# Allegro board 6089-103-RevB_76.brd (continued)
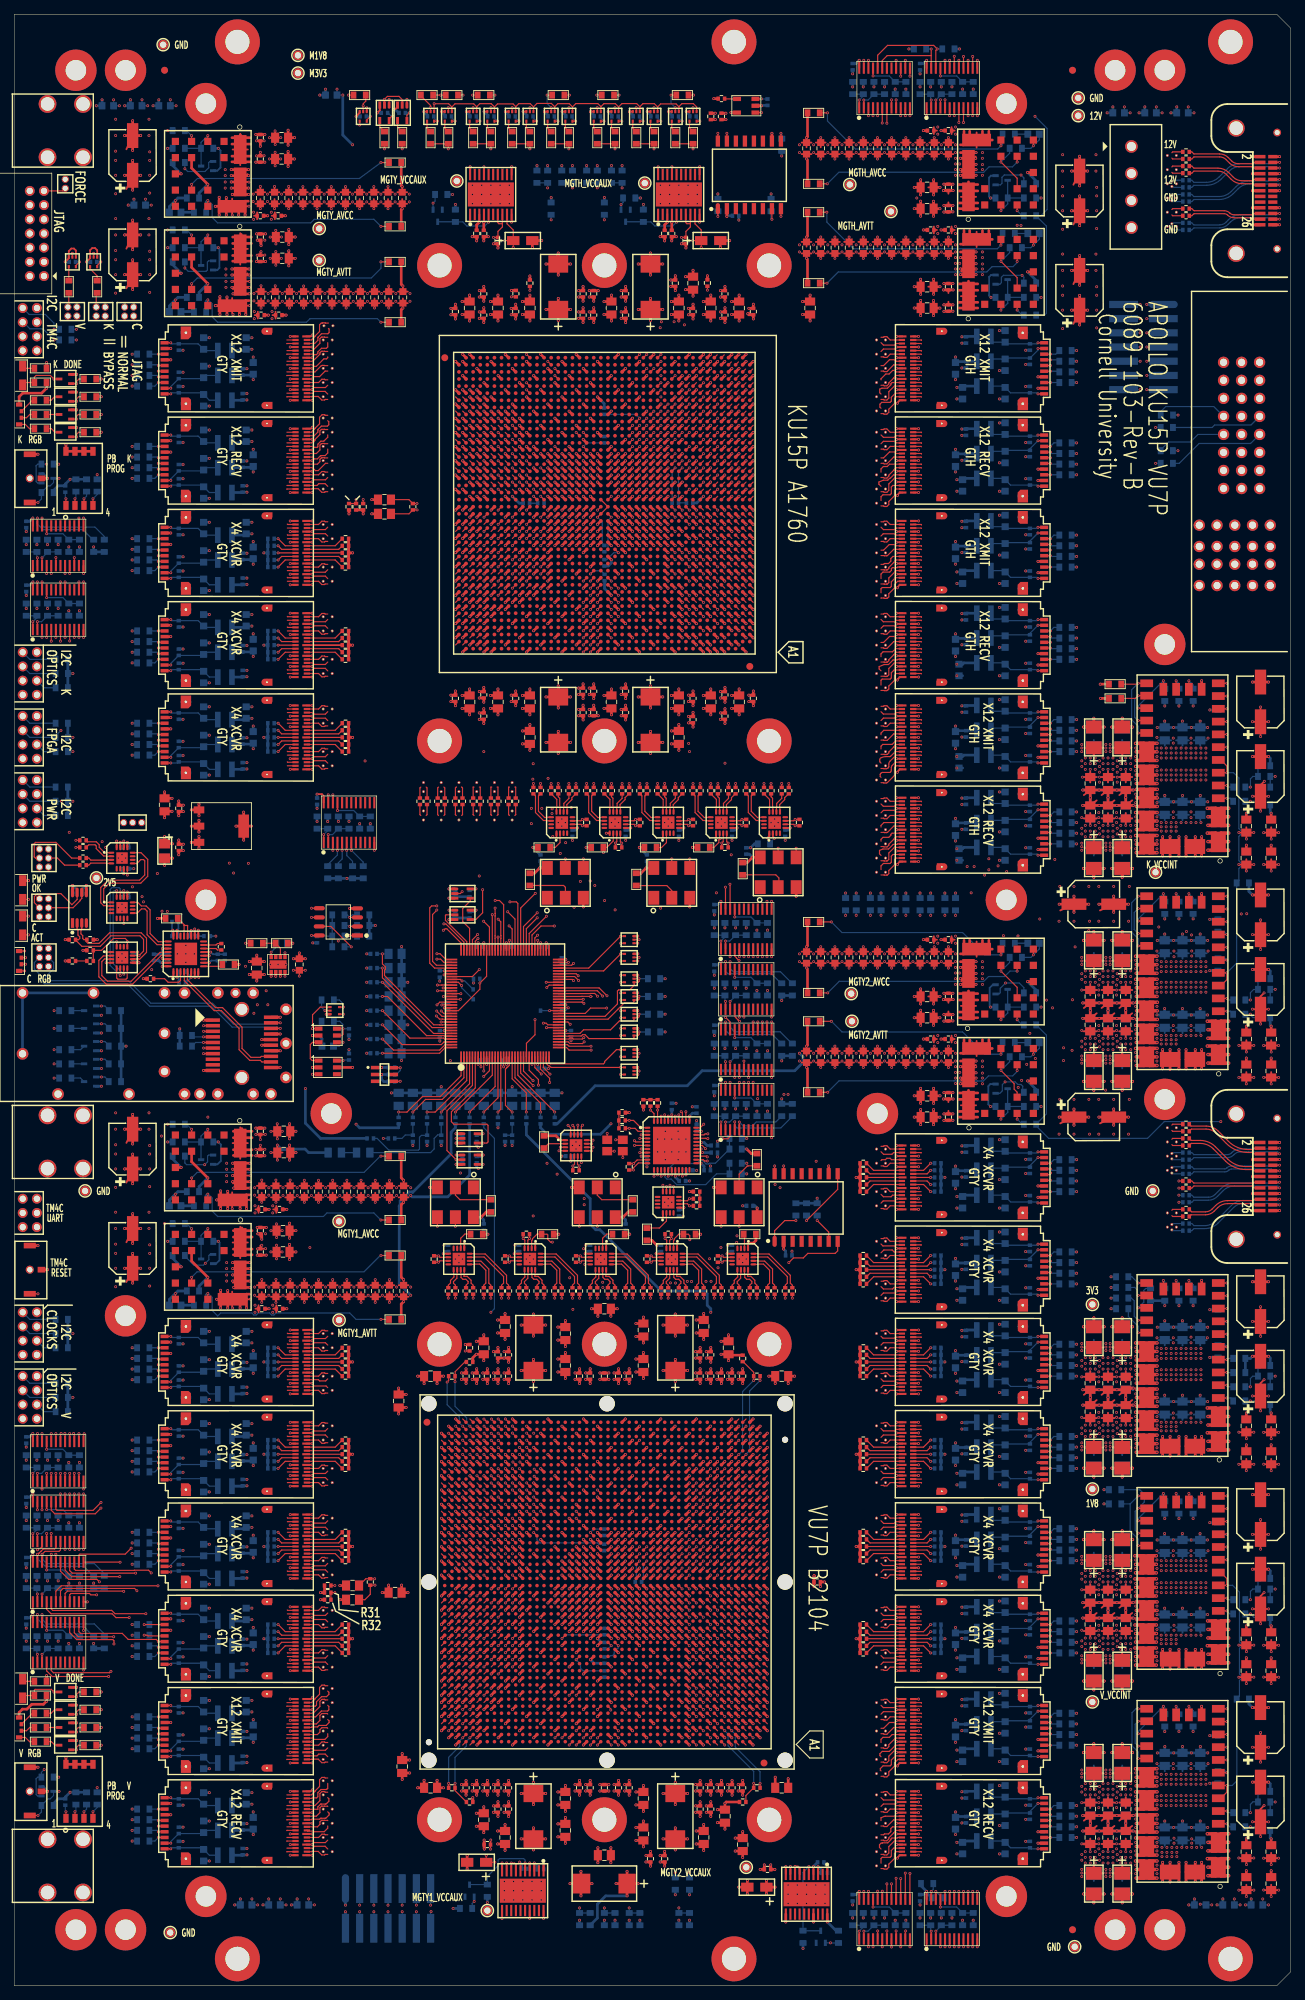
[diagram p0: board, top side]
## Routing (per net, layer and track width the routed paths; a pad name or vN(x,y) marks a point on that pad's centre or on a via; arc(x,y) is an arc through that point) (continued)
1.58,111.77 ; J6.1 2.08,110.9 ; J6.1 1.2,110.02 ; J6.1 2.07,110.52 ; J6.1 1.2,111.78 ; J6.1 1.87,111.57 ; VA113.4 123.02,79.31 ; VA113.4 123.25,78.71 ; VA113.4 122.83,79.28 ; VA113.4 122.83,78.52 ; VA113.4 123.16,78.58 ; VA113.4 123.22,78.9 ; VA113.4 123.16,79.22 ; VA113.4 123.25,79.09 ; 121.38,184.49 VA87.4 ; VA87.4 121.56,185.28 ; VA87.4 121.24,184.58 ; VA87.4 121.15,184.71 ; VA87.4 121.56,184.52 ; VA87.4 121.24,185.22 ; VA87.4 121.15,185.09 ; VA87.4 121.18,184.9 ; 43.56,223.9 43.56,224.28 ; 43.56,223.9 43.15,223.71 ; 43.56,223.9 43.24,224.22 ; 43.56,223.9 43.38,223.49 ; 43.56,223.9 43.15,224.09 ; 43.56,223.9 43.56,223.52 ; 43.56,223.9 43.24,223.58 ; 43.56,223.9 43.18,223.9 ; VA48.4 45.16,24.58 ; VA48.4 45.16,25.22 ; VA48.4 45.25,25.09 ; VA48.4 44.84,24.52 ; VA48.4 44.84,25.28 ; VA48.4 45.25,24.71 ; VA48.4 45.22,24.9 ; VA48.4 45.02,25.31 ; 122.83,18.52 VA135.3 ; VA135.3 123.16,19.22 ; VA135.3 122.83,19.28 ; VA135.3 123.25,19.09 ; VA135.3 123.16,18.58 ; VA135.3 123.02,19.31 ; VA135.3 123.22,18.9 ; VA135.3 123.25,18.71 ; 43.38,35.49 43.56,35.9 ; 43.56,35.9 43.56,36.28 ; 43.56,35.9 43.15,35.71 ; 43.56,35.9 43.24,36.22 ; 43.56,35.9 43.15,36.09 ; 43.56,35.9 43.24,35.58 ; 43.56,35.9 43.18,35.9 ; 43.56,35.9 43.56,35.52 ; VA88.4 121.56,183.28 ; VA88.4 121.15,182.71 ; VA88.4 121.24,182.58 ; VA88.4 121.18,182.9 ; VA88.4 121.56,182.52 ; VA88.4 121.15,183.09 ; VA88.4 121.24,183.22 ; VA88.4 121.38,182.49 ; 44.84,210.52 VA11.4 ; VA11.4 45.02,211.31 ; VA11.4 45.22,210.9 ; VA11.4 45.25,210.71 ; VA11.4 45.16,211.22 ; VA11.4 45.25,211.09 ; VA11.4 44.84,211.28 ; VA11.4 45.16,210.58 ; VA59.4 65.58,169.53 ; VA59.4 65.61,169.72 ; VA59.4 65.39,169.95 ; VA59.4 64.88,169.86 ; VA59.4 65.2,169.92 ; VA59.4 64.79,169.72 ; VA59.4 65.52,169.86 ; VA59.4 64.82,169.53 ; VA87.3 123.25,184.71 ; VA87.3 123.22,184.9 ; VA87.3 123.16,184.58 ; VA87.3 123.16,185.22 ; VA87.3 123.25,185.09 ; VA87.3 122.83,185.28 ; VA87.3 122.83,184.52 ; VA87.3 123.02,185.31 ; 163.84,106.9 164.25,107.09 ; 163.84,106.9 164.16,106.58 ; 163.84,106.9 163.84,107.28 ; 163.84,106.9 164.02,107.31 ; 163.84,106.9 163.84,106.52 ; 163.84,106.9 164.25,106.71 ; 163.84,106.9 164.16,107.22 ; 163.84,106.9 164.22,106.9 ; 24.21,65.96 U27.G1 ; U27.G1 23.49,66.18 ; U27.G1 23.81,65.97 ; U27.G1 24.21,67.84 ; U27.G1 24.93,66.18 ; U27.G1 23.49,67.62 ; U27.G1 24.93,67.62 ; U27.G1 25.15,66.9 ; VA123.3 123.22,46.9 ; VA123.3 123.02,47.31 ; VA123.3 123.25,47.09 ; VA123.3 122.83,47.28 ; VA123.3 123.16,46.58 ; VA123.3 123.16,47.22 ; VA123.3 123.25,46.71 ; VA123.3 122.83,46.52 ; VA67.3 123.16,228.22 ; VA67.3 123.16,227.58 ; VA67.3 123.02,228.31 ; VA67.3 122.83,228.28 ; VA67.3 123.22,227.9 ; VA67.3 123.25,228.09 ; VA67.3 123.25,227.71 ; VA67.3 122.83,227.52 ; J1.7 4.2,247.78 ; J1.7 3.53,246.23 ; J1.7 3.32,246.9 ; J1.7 4.87,247.57 ; J1.7 4.2,246.02 ; J1.7 5.08,246.9 ; J1.7 3.53,247.57 ; J1.7 4.87,246.23 ; 163.84,257.9 164.25,257.71 ; 163.84,257.9 164.22,257.9 ; 163.84,257.9 164.02,258.31 ; 163.84,257.9 164.16,258.22 ; 163.84,257.9 163.84,257.52 ; 163.84,257.9 164.25,258.09 ; 163.84,257.9 163.84,258.28 ; 163.84,257.9 164.16,257.58 ; 43.56,63.9 43.56,64.28 ; 43.56,63.9 43.15,63.71 ; 43.56,63.9 43.15,64.09 ; 43.56,63.9 43.38,63.49 ; 43.56,63.9 43.18,63.9 ; 43.56,63.9 43.24,64.22 ; 43.56,63.9 43.24,63.58 ; 43.56,63.9 43.56,63.52 ; VA37.4 45.25,50.71 ; VA37.4 45.16,50.58 ; VA37.4 44.84,50.52 ; VA37.4 45.22,50.9 ; VA37.4 45.16,51.22 ; VA37.4 45.25,51.09 ; VA37.4 44.84,51.28 ; VA37.4 45.02,51.31 ; 62.29,169.72 VA57.4 ; VA57.4 62.7,169.92 ; VA57.4 63.02,169.86 ; VA57.4 62.89,169.95 ; VA57.4 63.08,169.53 ; VA57.4 62.38,169.86 ; VA57.4 62.32,169.53 ; VA57.4 63.11,169.72 ; VA128.3 123.16,33.58 ; VA128.3 123.25,34.09 ; VA128.3 123.02,34.31 ; VA128.3 123.16,34.22 ; VA128.3 122.83,33.52 ; VA128.3 122.83,34.28 ; VA128.3 123.22,33.9 ; VA128.3 123.25,33.71 ; U24.G2 24.21,171.84 ; U24.G2 25.15,170.9 ; U24.G2 23.81,169.97 ; U24.G2 24.93,170.18 ; U24.G2 23.49,170.18 ; U24.G2 24.93,171.62 ; U24.G2 24.21,169.96 ; U24.G2 23.49,171.62 ; 23.81,205.97 U22.G1 ; U22.G1 24.21,205.96 ; U22.G1 24.93,206.18 ; U22.G1 24.21,207.84 ; U22.G1 25.15,206.9 ; U22.G1 24.93,207.62 ; U22.G1 23.49,207.62 ; U22.G1 23.49,206.18 ; 163.84,249.9 163.84,250.28 ; 163.84,249.9 164.25,249.71 ; 163.84,249.9 163.84,249.52 ; 163.84,249.9 164.25,250.09 ; 163.84,249.9 164.16,250.22 ; 163.84,249.9 164.02,250.31 ; 163.84,249.9 164.16,249.58 ; 163.84,249.9 164.22,249.9 ; 121.15,118.09 VA101.3 ; VA101.3 121.56,118.28 ; VA101.3 121.56,117.52 ; VA101.3 121.24,118.22 ; VA101.3 121.38,117.49 ; VA101.3 121.18,117.9 ; VA101.3 121.24,117.58 ; VA101.3 121.15,117.71 ; VA29.4 45.22,76.9 ; VA29.4 44.84,77.28 ; VA29.4 45.25,77.09 ; VA29.4 45.02,77.31 ; VA29.4 45.16,77.22 ; VA29.4 45.25,76.71 ; VA29.4 44.84,76.52 ; VA29.4 45.16,76.58 ; 142.19,78.96 U113.G2 ; U113.G2 141.47,79.18 ; U113.G2 142.91,80.62 ; U113.G2 141.79,78.97 ; U113.G2 142.19,80.84 ; U113.G2 141.47,80.62 ; U113.G2 142.91,79.18 ; U113.G2 141.25,79.9 ; 64.79,168.08 65.2,168.26 ; 65.2,168.26 65.01,167.85 ; 65.2,168.26 65.58,168.26 ; 65.2,168.26 64.82,168.26 ; 65.2,168.26 64.88,167.94 ; 65.2,168.26 65.52,167.94 ; 65.2,168.26 65.2,167.88 ; 65.2,168.26 65.61,168.08 ; VA85.3 123.16,188.58 ; VA85.3 123.25,189.09 ; VA85.3 122.83,188.52 ; VA85.3 123.02,189.31 ; VA85.3 123.22,188.9 ; VA85.3 122.83,189.28 ; VA85.3 123.25,188.71 ; VA85.3 123.16,189.22 ; VA135.4 121.56,19.28 ; VA135.4 121.24,18.58 ; VA135.4 121.38,18.49 ; VA135.4 121.18,18.9 ; VA135.4 121.24,19.22 ; VA135.4 121.56,18.52 ; VA135.4 121.15,19.09 ; VA135.4 121.15,18.71 ; U13.30 24.01,126.65 ; U13.30 24.77,124.89 ; U13.30 23.01,125.65 ; U13.30 23.25,126.41 ; U13.30 24.77,126.41 ; U13.30 25.02,125.65 ; U13.30 23.25,124.89 ; U13.30 24.01,124.65 ; 43.56,89.9 43.56,90.28 ; 43.56,89.9 43.24,90.22 ; 43.56,89.9 43.56,89.52 ; 43.56,89.9 43.15,90.09 ; 43.56,89.9 43.15,89.71 ; 43.56,89.9 43.18,89.9 ; 43.56,89.9 43.38,89.49 ; 43.56,89.9 43.24,89.58 ; 43.15,42.09 43.56,41.9 ; 43.56,41.9 43.15,41.71 ; 43.56,41.9 43.24,42.22 ; 43.56,41.9 43.18,41.9 ; 43.56,41.9 43.56,42.28 ; 43.56,41.9 43.24,41.58 ; 43.56,41.9 43.38,41.49 ; 43.56,41.9 43.56,41.52 ; 4.2,250.02 J1.11 ; J1.11 4.2,251.78 ; J1.11 3.53,250.23 ; J1.11 3.53,251.57 ; J1.11 4.87,251.57 ; J1.11 4.87,250.23 ; J1.11 3.32,250.9 ; J1.11 5.08,250.9 ; 121.18,179.9 VA89.4 ; VA89.4 121.56,179.52 ; VA89.4 121.15,180.09 ; VA89.4 121.24,180.22 ; VA89.4 121.15,179.71 ; VA89.4 121.56,180.28 ; VA89.4 121.38,179.49 ; VA89.4 121.24,179.58 ; 176.33,205.06 P1.P2-2 ; P1.P2-2 177.07,206.78 ; P1.P2-2 178.05,205.8 ; P1.P2-2 177.81,205.06 ; P1.P2-2 177.81,206.54 ; P1.P2-2 177.07,204.82 ; P1.P2-2 176.33,206.54 ; P1.P2-2 176.09,205.8 ; J1.5 4.87,244.23 ; J1.5 4.2,245.78 ; J1.5 3.53,244.23 ; J1.5 4.2,244.02 ; J1.5 5.08,244.9 ; J1.5 3.32,244.9 ; J1.5 4.87,245.57 ; J1.5 3.53,245.57 ; 28.71,138.9 U13.40 ; U13.40 27.71,139.9 ; U13.40 27.95,139.14 ; U13.40 28.71,140.9 ; U13.40 29.47,139.14 ; U13.40 27.95,140.66 ; U13.40 29.47,140.66 ; U13.40 29.71,139.9 ; 21.12,7.5 PM26.1 ; PM26.1 22,8.38 ; PM26.1 22.67,6.83 ; PM26.1 22.88,7.5 ; PM26.1 21.33,8.17 ; PM26.1 22.67,8.17 ; PM26.1 21.33,6.83 ; PM26.1 22,6.62 ; VA110.4 123.22,89.9 ; VA110.4 123.16,90.22 ; VA110.4 123.02,90.31 ; VA110.4 123.16,89.58 ; VA110.4 122.83,90.28 ; VA110.4 123.25,90.09 ; VA110.4 122.83,89.52 ; VA110.4 123.25,89.71 ; 43.56,24.52 43.56,24.9 ; 43.56,24.9 43.24,25.22 ; 43.56,24.9 43.18,24.9 ; 43.56,24.9 43.24,24.58 ; 43.56,24.9 43.38,24.49 ; 43.56,24.9 43.56,25.28 ; 43.56,24.9 43.15,24.71 ; 43.56,24.9 43.15,25.09 ; 60.2,168.26 60.58,168.26 ; 60.2,168.26 60.61,168.08 ; 60.2,168.26 60.52,167.94 ; 60.2,168.26 59.82,168.26 ; 60.2,168.26 59.79,168.08 ; 60.2,168.26 60.01,167.85 ; 60.2,168.26 60.2,167.88 ; 60.2,168.26 59.88,167.94 ; 121.38,57.49 VA120.4 ; VA120.4 121.18,57.9 ; VA120.4 121.56,57.52 ; VA120.4 121.15,57.71 ; VA120.4 121.24,57.58 ; VA120.4 121.15,58.09 ; VA120.4 121.56,58.28 ; VA120.4 121.24,58.22 ; VA97.3 123.16,163.22 ; VA97.3 123.02,163.31 ; VA97.3 123.22,162.9 ; VA97.3 122.83,162.52 ; VA97.3 122.83,163.28 ; VA97.3 123.16,162.58 ; VA97.3 123.25,162.71 ; VA97.3 123.25,163.09 ; VA121.4 123.22,52.9 ; VA121.4 123.16,52.58 ; VA121.4 123.16,53.22 ; VA121.4 122.83,53.28 ; VA121.4 123.02,53.31 ; VA121.4 123.25,53.09 ; VA121.4 123.25,52.71 ; VA121.4 122.83,52.52 ; 162.24,250.22 VA141.4 ; VA141.4 162.15,250.09 ; VA141.4 162.56,249.52 ; VA141.4 162.56,250.28 ; VA141.4 162.24,249.58 ; VA141.4 162.18,249.9 ; VA141.4 162.15,249.71 ; VA141.4 162.38,249.49 ; 43.18,218.9 43.56,218.9 ; 43.56,218.9 43.56,219.28 ; 43.56,218.9 43.24,218.58 ; 43.56,218.9 43.15,218.71 ; 43.56,218.9 43.15,219.09 ; 43.56,218.9 43.56,218.52 ; 43.56,218.9 43.24,219.22 ; 43.56,218.9 43.38,218.49 ; VA107.3 122.83,99.28 ; VA107.3 123.25,98.71 ; VA107.3 122.83,98.52 ; VA107.3 123.25,99.09 ; VA107.3 123.02,99.31 ; VA107.3 123.22,98.9 ; VA107.3 123.16,99.22 ; VA107.3 123.16,98.58 ; VA13.4 45.16,203.58 ; VA13.4 45.16,204.22 ; VA13.4 44.84,203.52 ; VA13.4 45.25,204.09 ; VA13.4 45.02,204.31 ; VA13.4 45.22,203.9 ; VA13.4 45.25,203.71 ; VA13.4 44.84,204.28 ; VA47.4 45.25,26.71 ; VA47.4 44.84,26.52 ; VA47.4 45.16,27.22 ; VA47.4 45.16,26.58 ; VA47.4 45.25,27.09 ; VA47.4 45.22,26.9 ; VA47.4 45.02,27.31 ; VA47.4 44.84,27.28 ; 121.38,171.49 VA93.4 ; VA93.4 121.15,172.09 ; VA93.4 121.18,171.9 ; VA93.4 121.15,171.71 ; VA93.4 121.24,171.58 ; VA93.4 121.24,172.22 ; VA93.4 121.56,171.52 ; VA93.4 121.56,172.28 ; 43.38,28.49 43.56,28.9 ; 43.56,28.9 43.56,28.52 ; 43.56,28.9 43.24,29.22 ; 43.56,28.9 43.15,28.71 ; 43.56,28.9 43.56,29.28 ; 43.56,28.9 43.24,28.58 ; 43.56,28.9 43.18,28.9 ; 43.56,28.9 43.15,29.09 ; VA69.3 122.83,224.28 ; VA69.3 123.16,223.58 ; VA69.3 122.83,223.52 ; VA69.3 123.25,223.71 ; VA69.3 123.25,224.09 ; VA69.3 123.16,224.22 ; VA69.3 123.02,224.31 ; VA69.3 123.22,223.9 ; U13.24 39.07,132.03 ; U13.24 38.31,131.78 ; U13.24 37.55,132.03 ; U13.24 39.07,133.55 ; U13.24 37.55,133.55 ; U13.24 38.31,133.79 ; U13.24 37.31,132.79 ; U13.24 39.32,132.79 ; 172.29,219.33 P1.12 ; P1.12 173.77,217.85 ; P1.12 172.29,217.85 ; P1.12 172.05,218.59 ; P1.12 173.03,219.57 ; P1.12 173.77,219.33 ; P1.12 174.01,218.59 ; P1.12 173.03,217.61 ; 43.18,57.9 43.56,57.9 ; 43.56,57.9 43.15,57.71 ; 43.56,57.9 43.24,58.22 ; 43.56,57.9 43.38,57.49 ; 43.56,57.9 43.56,58.28 ; 43.56,57.9 43.56,57.52 ; 43.56,57.9 43.24,57.58 ; 43.56,57.9 43.15,58.09 ; 43.24,185.22 43.56,184.9 ; 43.56,184.9 43.18,184.9 ; 43.56,184.9 43.15,184.71 ; 43.56,184.9 43.24,184.58 ; 43.56,184.9 43.15,185.09 ; 43.56,184.9 43.56,184.52 ; 43.56,184.9 43.56,185.28 ; 43.56,184.9 43.38,184.49 ; VA134.3 123.22,20.9 ; VA134.3 123.25,20.71 ; VA134.3 123.02,21.31 ; VA134.3 122.83,21.28 ; VA134.3 123.16,21.22 ; VA134.3 123.16,20.58 ; VA134.3 122.83,20.52 ; VA134.3 123.25,21.09 ; VA145.4 162.56,117.28 ; VA145.4 162.15,117.09 ; VA145.4 162.38,116.49 ; VA145.4 162.15,116.71 ; VA145.4 162.56,116.52 ; VA145.4 162.24,116.58 ; VA145.4 162.24,117.22 ; VA145.4 162.18,116.9 ; VA27.3 45.25,83.71 ; VA27.3 45.16,83.58 ; VA27.3 45.22,83.9 ; VA27.3 45.25,84.09 ; VA27.3 44.84,83.52 ; VA27.3 45.02,84.31 ; VA27.3 44.84,84.28 ; VA27.3 45.16,84.22 ; 43.24,39.58 43.56,39.9 ; 43.56,39.9 43.56,39.52 ; 43.56,39.9 43.24,40.22 ; 43.56,39.9 43.38,39.49 ; 43.56,39.9 43.18,39.9 ; 43.56,39.9 43.56,40.28 ; 43.56,39.9 43.15,39.71 ; 43.56,39.9 43.15,40.09 ; U28.G2 24.93,44.62 ; U28.G2 24.93,43.18 ; U28.G2 23.81,42.97 ; U28.G2 24.21,42.96 ; U28.G2 24.21,44.84 ; U28.G2 23.49,44.62 ; U28.G2 23.49,43.18 ; U28.G2 25.15,43.9 ; 141.47,28.62 U117.G2 ; U117.G2 142.91,27.18 ; U117.G2 141.47,27.18 ; U117.G2 142.19,28.84 ; U117.G2 141.25,27.9 ; U117.G2 142.91,28.62 ; U117.G2 142.19,26.96 ; U117.G2 141.79,26.97 ; 121.56,203.52 VA78.4 ; VA78.4 121.56,204.28 ; VA78.4 121.15,204.09 ; VA78.4 121.24,204.22 ; VA78.4 121.18,203.9 ; VA78.4 121.15,203.71 ; VA78.4 121.24,203.58 ; VA78.4 121.38,203.49 ; 121.56,24.52 VA132.4 ; VA132.4 121.24,25.22 ; VA132.4 121.24,24.58 ; VA132.4 121.38,24.49 ; VA132.4 121.56,25.28 ; VA132.4 121.15,24.71 ; VA132.4 121.15,25.09 ; VA132.4 121.18,24.9 ; 43.24,47.22 43.56,46.9 ; 43.56,46.9 43.18,46.9 ; 43.56,46.9 43.56,46.52 ; 43.56,46.9 43.15,46.71 ; 43.56,46.9 43.38,46.49 ; 43.56,46.9 43.24,46.58 ; 43.56,46.9 43.15,47.09 ; 43.56,46.9 43.56,47.28 ; 43.56,197.52 43.56,197.9 ; 43.56,197.9 43.18,197.9 ; 43.56,197.9 43.56,198.28 ; 43.56,197.9 43.15,198.09 ; 43.56,197.9 43.15,197.71 ; 43.56,197.9 43.24,197.58 ; 43.56,197.9 43.24,198.22 ; 43.56,197.9 43.38,197.49 ; 43.18,214.9 43.56,214.9 ; 43.56,214.9 43.15,214.71 ; 43.56,214.9 43.56,215.28 ; 43.56,214.9 43.38,214.49 ; 43.56,214.9 43.56,214.52 ; 43.56,214.9 43.24,214.58 ; 43.56,214.9 43.24,215.22 ; 43.56,214.9 43.15,215.09 ; 121.56,63.52 VA118.3 ; VA118.3 121.38,63.49 ; VA118.3 121.24,63.58 ; VA118.3 121.18,63.9 ; VA118.3 121.24,64.22 ; VA118.3 121.15,64.09 ; VA118.3 121.56,64.28 ; VA118.3 121.15,63.71 ; 162.38,114.49 VA146.4 ; VA146.4 162.24,114.58 ; VA146.4 162.15,115.09 ; VA146.4 162.15,114.71 ; VA146.4 162.56,115.28 ; VA146.4 162.18,114.9 ; VA146.4 162.24,115.22 ; VA146.4 162.56,114.52 ; VA103.3 123.16,111.58 ; VA103.3 123.16,112.22 ; VA103.3 122.83,111.52 ; VA103.3 123.25,111.71 ; VA103.3 123.22,111.9 ; VA103.3 123.25,112.09 ; VA103.3 122.83,112.28 ; VA103.3 123.02,112.31 ; VA126.3 123.16,38.22 ; VA126.3 122.83,38.28 ; VA126.3 123.25,38.09 ; VA126.3 122.83,37.52 ; VA126.3 123.22,37.9 ; VA126.3 123.02,38.31 ; VA126.3 123.25,37.71 ; VA126.3 123.16,37.58 ; P1.16 173.77,228.01 ; P1.16 173.77,229.49 ; P1.16 174.01,228.75 ; P1.16 173.03,229.73 ; P1.16 172.29,229.49 ; P1.16 172.29,228.01 ; P1.16 172.05,228.75 ; P1.16 173.03,227.77 ; 162.38,118.49 VA144.4 ; VA144.4 162.56,118.52 ; VA144.4 162.18,118.9 ; VA144.4 162.56,119.28 ; VA144.4 162.15,118.71 ; VA144.4 162.15,119.09 ; VA144.4 162.24,119.22 ; VA144.4 162.24,118.58 ; 121.15,21.09 VA134.4 ; VA134.4 121.56,20.52 ; VA134.4 121.18,20.9 ; VA134.4 121.38,20.49 ; VA134.4 121.15,20.71 ; VA134.4 121.56,21.28 ; VA134.4 121.24,20.58 ; VA134.4 121.24,21.22 ; 43.15,220.71 43.56,220.9 ; 43.56,220.9 43.24,221.22 ; 43.56,220.9 43.15,221.09 ; 43.56,220.9 43.38,220.49 ; 43.56,220.9 43.56,220.52 ; 43.56,220.9 43.18,220.9 ; 43.56,220.9 43.24,220.58 ; 43.56,220.9 43.56,221.28 ; U30.G1 25.15,27.9 ; U30.G1 24.93,27.18 ; U30.G1 24.93,28.62 ; U30.G1 24.21,28.84 ; U30.G1 23.81,26.97 ; U30.G1 23.49,28.62 ; U30.G1 24.21,26.96 ; U30.G1 23.49,27.18 ; VA78.3 123.25,203.71 ; VA78.3 123.16,203.58 ; VA78.3 123.22,203.9 ; VA78.3 122.83,204.28 ; VA78.3 123.25,204.09 ; VA78.3 122.83,203.52 ; VA78.3 123.16,204.22 ; VA78.3 123.02,204.31 ; 43.56,22.9 43.56,23.28 ; 43.56,22.9 43.24,22.58 ; 43.56,22.9 43.15,22.71 ; 43.56,22.9 43.56,22.52 ; 43.56,22.9 43.38,22.49 ; 43.56,22.9 43.24,23.22 ; 43.56,22.9 43.18,22.9 ; 43.56,22.9 43.15,23.09 ; 43.18,210.9 43.56,210.9 ; 43.56,210.9 43.15,210.71 ; 43.56,210.9 43.15,211.09 ; 43.56,210.9 43.56,210.52 ; 43.56,210.9 43.38,210.49 ; 43.56,210.9 43.56,211.28 ; 43.56,210.9 43.24,210.58 ; 43.56,210.9 43.24,211.22 ; 162.18,247.9 VA142.4 ; VA142.4 162.56,248.28 ; VA142.4 162.24,247.58 ; VA142.4 162.56,247.52 ; VA142.4 162.15,248.09 ; VA142.4 162.38,247.49 ; VA142.4 162.15,247.71 ; VA142.4 162.24,248.22 ; VA114.4 123.25,77.09 ; VA114.4 123.02,77.31 ; VA114.4 123.25,76.71 ; VA114.4 123.22,76.9 ; VA114.4 123.16,76.58 ; VA114.4 123.16,77.22 ; VA114.4 122.83,77.28 ; VA114.4 122.83,76.52 ; 163.84,120.9 164.02,121.31 ; 163.84,120.9 164.16,120.58 ; 163.84,120.9 164.25,120.71 ; 163.84,120.9 163.84,120.52 ; 163.84,120.9 164.25,121.09 ; 163.84,120.9 164.22,120.9 ; 163.84,120.9 164.16,121.22 ; 163.84,120.9 163.84,121.28 ; 121.24,66.22 VA117.3 ; VA117.3 121.38,65.49 ; VA117.3 121.15,65.71 ; VA117.3 121.15,66.09 ; VA117.3 121.18,65.9 ; VA117.3 121.56,66.28 ; VA117.3 121.56,65.52 ; VA117.3 121.24,65.58 ; VA127.3 123.25,36.09 ; VA127.3 123.16,36.22 ; VA127.3 123.25,35.71 ; VA127.3 123.22,35.9 ; VA127.3 122.83,36.28 ; VA127.3 122.83,35.52 ; VA127.3 123.02,36.31 ; VA127.3 123.16,35.58 ; 121.24,189.22 VA85.4 ; VA85.4 121.15,188.71 ; VA85.4 121.56,188.52 ; VA85.4 121.38,188.49 ; VA85.4 121.56,189.28 ; VA85.4 121.15,189.09 ; VA85.4 121.24,188.58 ; VA85.4 121.18,188.9 ; 43.15,200.09 43.56,199.9 ; 43.56,199.9 43.18,199.9 ; 43.56,199.9 43.56,199.52 ; 43.56,199.9 43.24,200.22 ; 43.56,199.9 43.24,199.58 ; 43.56,199.9 43.56,200.28 ; 43.56,199.9 43.38,199.49 ; 43.56,199.9 43.15,199.71 ; 121.38,16.49 VA136.4 ; VA136.4 121.56,16.52 ; VA136.4 121.15,16.71 ; VA136.4 121.18,16.9 ; VA136.4 121.24,16.58 ; VA136.4 121.15,17.09 ; VA136.4 121.56,17.28 ; VA136.4 121.24,17.22 ; 43.56,91.9 43.56,92.28 ; 43.56,91.9 43.56,91.52 ; 43.56,91.9 43.18,91.9 ; 43.56,91.9 43.24,92.22 ; 43.56,91.9 43.15,92.09 ; 43.56,91.9 43.15,91.71 ; 43.56,91.9 43.38,91.49 ; 43.56,91.9 43.24,91.58 ; 122.83,104.52 VA105.4 ; VA105.4 123.25,105.09 ; VA105.4 122.83,105.28 ; VA105.4 123.22,104.9 ; VA105.4 123.16,105.22 ; VA105.4 123.02,105.31 ; VA105.4 123.16,104.58 ; VA105.4 123.25,104.71 ; 122.83,199.52 VA80.3 ; VA80.3 123.16,200.22 ; VA80.3 123.22,199.9 ; VA80.3 123.25,199.71 ; VA80.3 123.16,199.58 ; VA80.3 123.02,200.31 ; VA80.3 122.83,200.28 ; VA80.3 123.25,200.09 ; VA21.4 45.25,177.71 ; VA21.4 45.02,178.31 ; VA21.4 44.84,177.52 ; VA21.4 45.22,177.9 ; VA21.4 45.16,177.58 ; VA21.4 45.25,178.09 ; VA21.4 44.84,178.28 ; VA21.4 45.16,178.22 ; 121.15,50.71 VA122.3 ; VA122.3 121.56,51.28 ; VA122.3 121.24,50.58 ; VA122.3 121.15,51.09 ; VA122.3 121.18,50.9 ; VA122.3 121.24,51.22 ; VA122.3 121.56,50.52 ; VA122.3 121.38,50.49 ; 121.38,229.49 VA66.4 ; VA66.4 121.24,230.22 ; VA66.4 121.56,229.52 ; VA66.4 121.15,230.09 ; VA66.4 121.24,229.58 ; VA66.4 121.15,229.71 ; VA66.4 121.56,230.28 ; VA66.4 121.18,229.9 ; VA1.4 45.02,232.31 ; VA1.4 45.16,231.58 ; VA1.4 44.84,232.28 ; VA1.4 45.25,231.71 ; VA1.4 45.16,232.22 ; VA1.4 44.84,231.52 ; VA1.4 45.22,231.9 ; VA1.4 45.25,232.09 ; 121.24,22.58 VA133.4 ; VA133.4 121.56,23.28 ; VA133.4 121.18,22.9 ; VA133.4 121.15,23.09 ; VA133.4 121.38,22.49 ; VA133.4 121.24,23.22 ; VA133.4 121.15,22.71 ; VA133.4 121.56,22.52 ; VA92.3 123.25,174.09 ; VA92.3 122.83,174.28 ; VA92.3 123.02,174.31 ; VA92.3 122.83,173.52 ; VA92.3 123.16,173.58 ; VA92.3 123.25,173.71 ; VA92.3 123.16,174.22 ; VA92.3 123.22,173.9 ; 174.57,201.82 P1.P2-3 ; P1.P2-3 175.55,202.8 ; P1.P2-3 175.31,202.06 ; P1.P2-3 173.83,203.54 ; P1.P2-3 173.83,202.06 ; P1.P2-3 173.59,202.8 ; P1.P2-3 175.31,203.54 ; P1.P2-3 174.57,203.78 ; 121.56,225.52 VA68.4 ; VA68.4 121.15,226.09 ; VA68.4 121.38,225.49 ; VA68.4 121.56,226.28 ; VA68.4 121.18,225.9 ; VA68.4 121.24,225.58 ; VA68.4 121.15,225.71 ; VA68.4 121.24,226.22 ; 122.83,65.52 VA117.4 ; VA117.4 123.25,66.09 ; VA117.4 123.25,65.71 ; VA117.4 123.16,65.58 ; VA117.4 123.02,66.31 ; VA117.4 123.16,66.22 ; VA117.4 123.22,65.9 ; VA117.4 122.83,66.28 ; 2.53,88.23 J7.8 ; J7.8 3.87,88.23 ; J7.8 2.32,88.9 ; J7.8 2.53,89.57 ; J7.8 3.2,89.78 ; J7.8 3.87,89.57 ; J7.8 3.2,88.02 ; J7.8 4.08,88.9 ; VA132.3 123.25,24.71 ; VA132.3 123.02,25.31 ; VA132.3 123.22,24.9 ; VA132.3 122.83,25.28 ; VA132.3 122.83,24.52 ; VA132.3 123.16,25.22 ; VA132.3 123.16,24.58 ; VA132.3 123.25,25.09 ; 43.48,233.49 VA52.3 ; VA52.3 43.25,234.09 ; VA52.3 43.25,233.71 ; VA52.3 43.66,234.28 ; VA52.3 43.34,233.58 ; VA52.3 43.28,233.9 ; VA52.3 43.34,234.22 ; VA52.3 43.66,233.52 ; VA109.4 123.22,91.9 ; VA109.4 123.25,92.09 ; VA109.4 123.25,91.71 ; VA109.4 123.16,92.22 ; VA109.4 122.83,92.28 ; VA109.4 123.16,91.58 ; VA109.4 123.02,92.31 ; VA109.4 122.83,91.52 ; U13.26 36.87,124.98 ; U13.26 35.53,124.98 ; U13.26 37.08,125.65 ; U13.26 35.33,125.65 ; U13.26 35.53,126.32 ; U13.26 36.87,126.32 ; U13.26 36.2,126.53 ; U13.26 36.2,124.77 ; VA38.3 45.02,47.31 ; VA38.3 45.16,46.58 ; VA38.3 45.16,47.22 ; VA38.3 45.25,46.71 ; VA38.3 44.84,47.28 ; VA38.3 45.22,46.9 ; VA38.3 44.84,46.52 ; VA38.3 45.25,47.09 ; VA51.4 45.16,19.22 ; VA51.4 44.84,18.52 ; VA51.4 45.22,18.9 ; VA51.4 44.84,19.28 ; VA51.4 45.16,18.58 ; VA51.4 45.25,18.71 ; VA51.4 45.02,19.31 ; VA51.4 45.25,19.09 ; VA75.3 122.83,211.28 ; VA75.3 123.16,210.58 ; VA75.3 123.02,211.31 ; VA75.3 122.83,210.52 ; VA75.3 123.25,211.09 ; VA75.3 123.22,210.9 ; VA75.3 123.16,211.22 ; VA75.3 123.25,210.71 ; P1.9